# Altium PCB 606-100862-r02.pcbdoc (part 2 of 3) (continued)
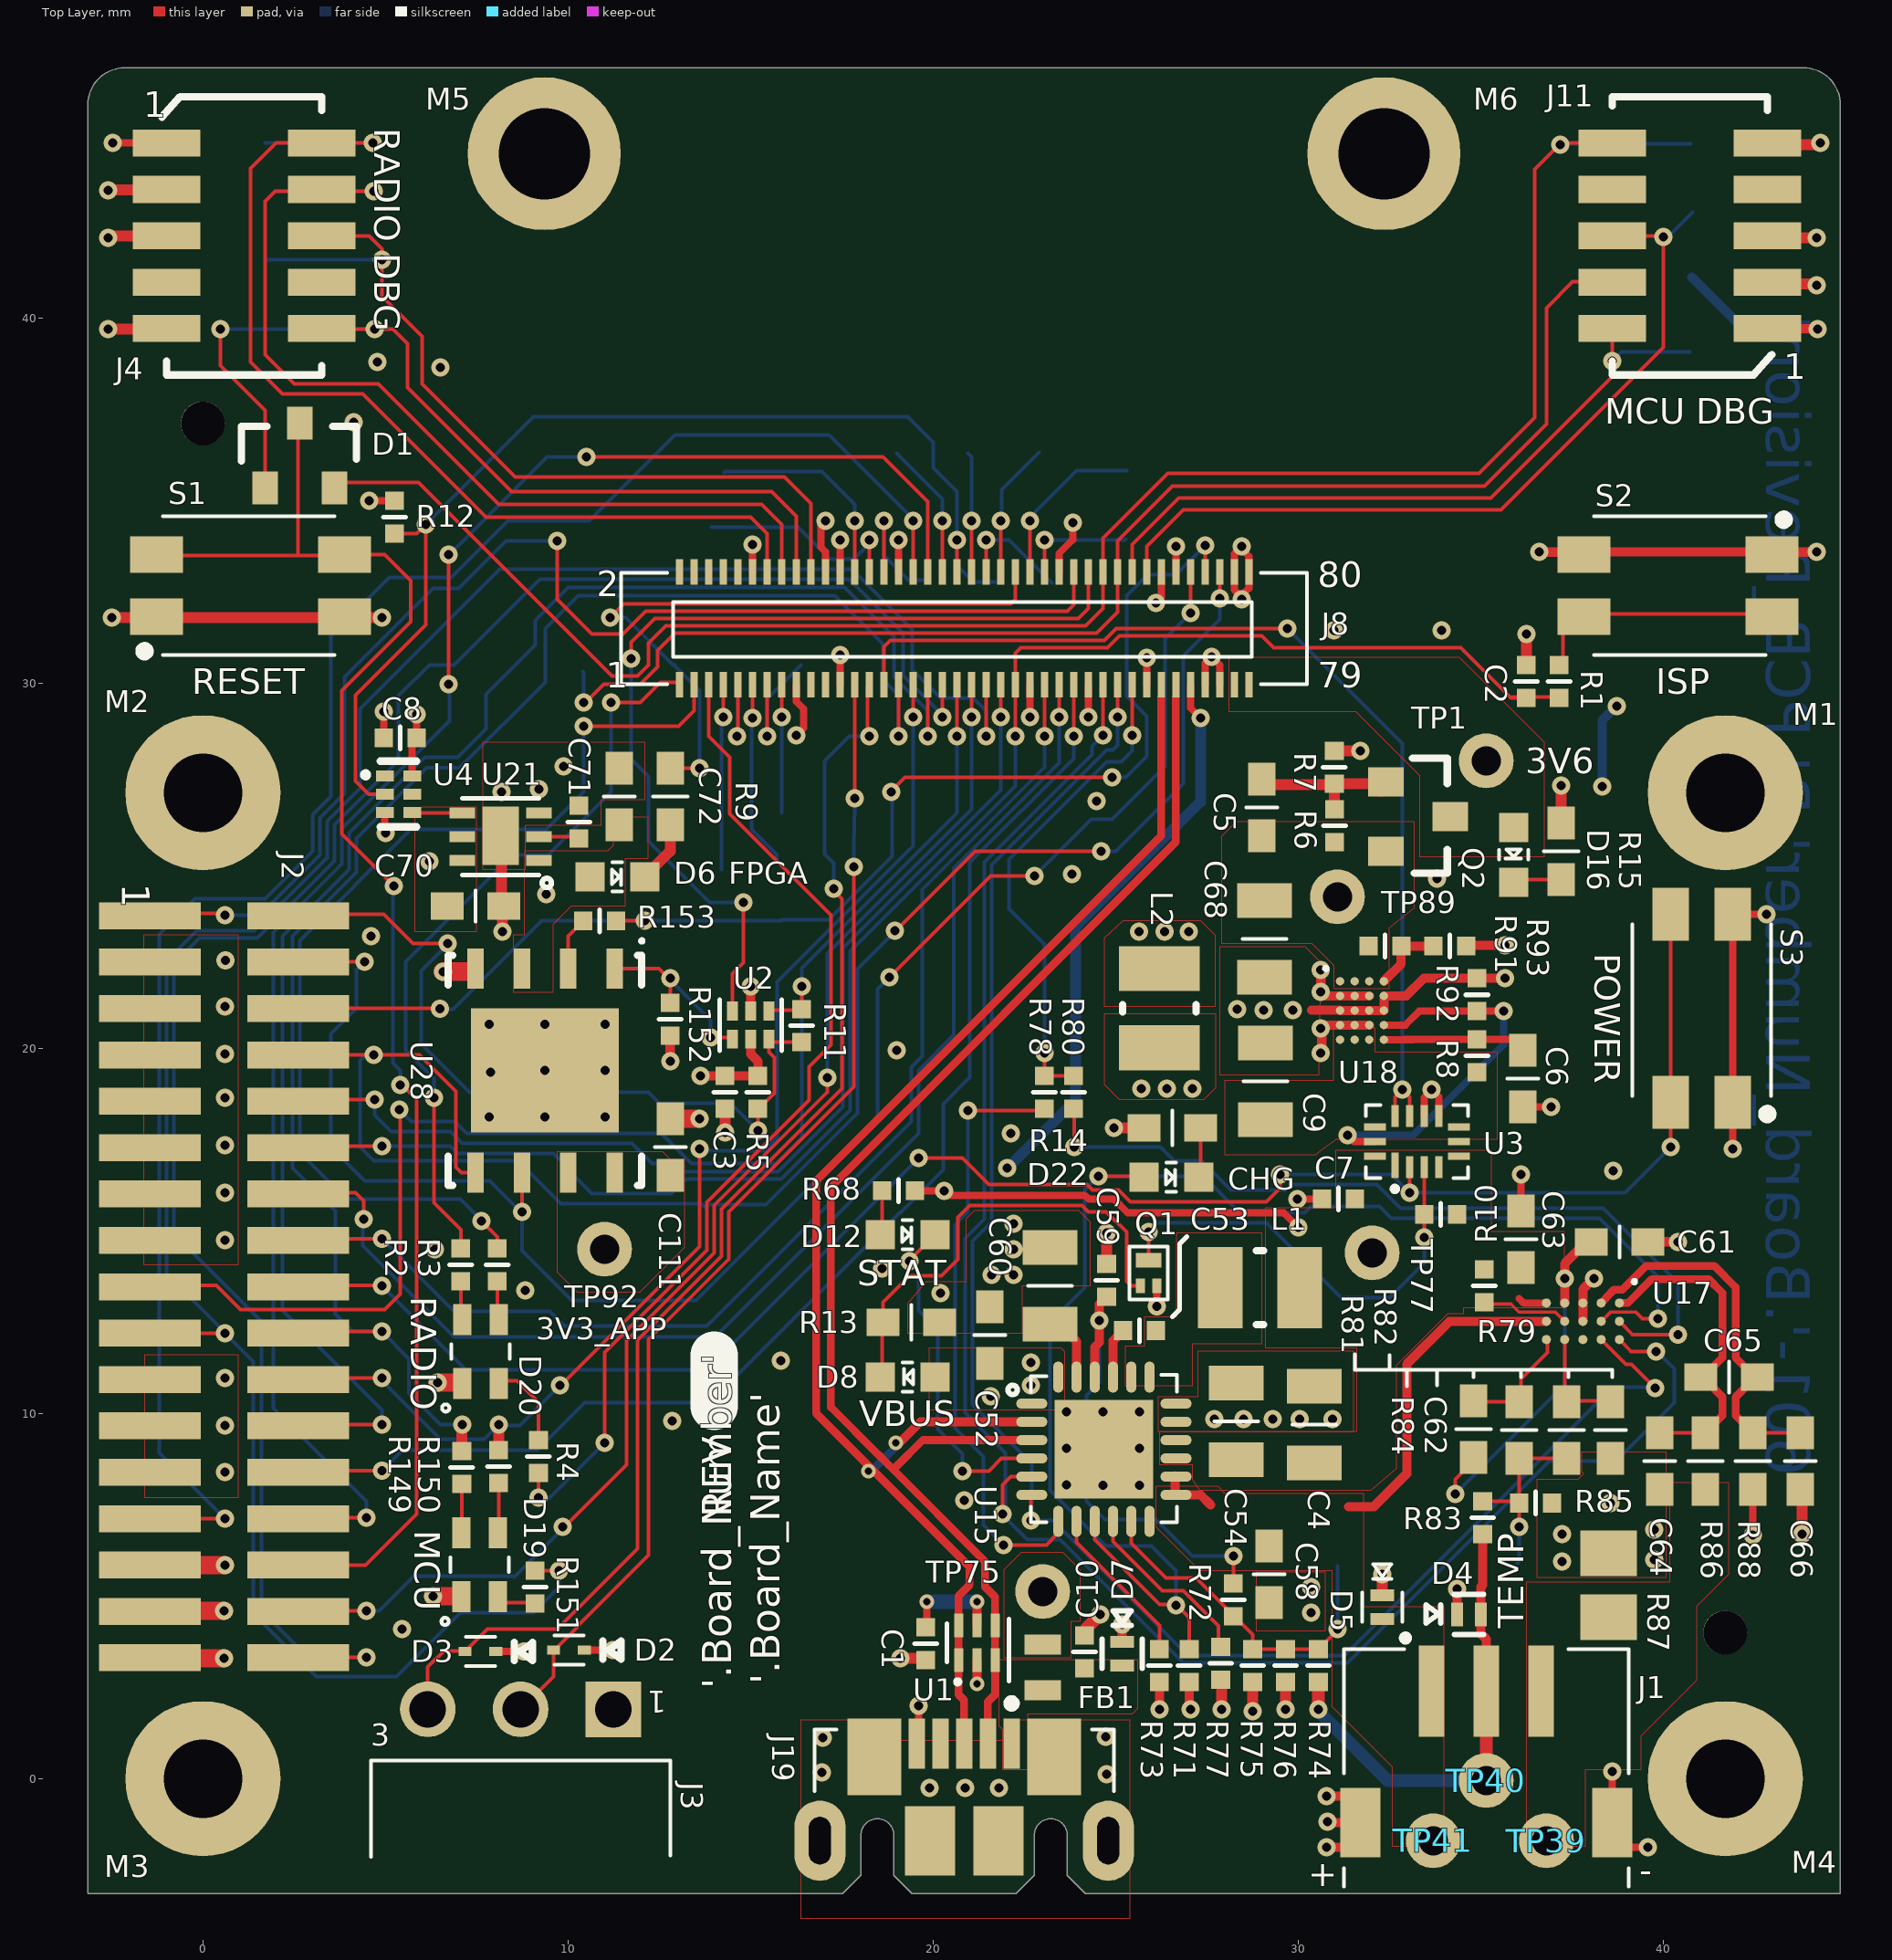
[diagram p0: Top Layer view]
## Nets (pads, with @x,y where several pads share a name; then routed paths per layer and width w, separated by ;. In a path a pad name is that pad's centre, name@x,y a point inside that pad or via, vN(x,y) a via of type N, cw(c..) or ccw(c..) an arc to the next point about the centre after c; other vN are vias at no path point) (continued)
MCU_GPIO_11: J2.2 R5.2 R11.2 U2.6 | length 21.2
  Top Layer w0.1: J2.2@3.025,23.67 4.955,23.67 5.75,22.875 v1(6.7,22.875) ; v1(15.2,17.75) R5.2@15.2,18.25 ; R5.2@15.2,18.35 R5.2@15.2,18.25 ; R11.2@16.4,20.15 16.375,20.175 15.575,20.175 U2.6@15.5,20.25 15.5,19.9 15.65,19.75 15.65,18.775 15.225,18.35 15.3,18.35 R5.2@15.2,18.25
  Bottom Layer w0.1: v1(6.7,22.875) 6.7,22.841 5.975,22.116 5.975,20.125 7.3,18.8 12.2,18.8 12.5,18.5 14.45,18.5 v1(15.2,17.75)
MCU_GPIO_12: J2.17 J8.39 R11.1 TP62.1 U2.1 | length 39.3
  Top Layer w0.1: J2.17@-0.5,13.51 0.365,13.51 1.025,12.85 4.975,12.85 5.4,13.275 5.4,18.175 5.55,18.325 v1(5.375,18.325) ; U2.1@15.5,21.02 15.53,21.05 16.4,21.05 R11.1@16.4,21.075 v1(16.4,21.7) ; v1(20.65,28.55) J8.39@20.65,29.96
  Bottom Layer w0.1: v1(5.375,18.325) 5.7,18 6.9,18 7.225,17.675 12.55,17.675 13.375,16.85 15.7,16.85 16.4,17.55 v1(16.4,21.7) 16.4,22.2 20.65,26.45 v1(20.65,28.55)
MCU_GPIO_13: J2.1 J8.56 TP26.1 | length 34.3
  Top Layer w0.1: J2.1@-0.63,23.7 J2.1@-0.405,23.7 ; J2.1@-0.425,23.68 J2.1@-0.405,23.7 ; v1@0.45,23.7 J2.1@-0.405,23.7 ; v1(9.7,33.9) 9.7,32.3 10.65,31.35 11.5,31.35 12.125,31.975 23.675,31.975 23.85,32.15 J8.56@23.85,33.04
  Bottom Layer w0.1: v1@0.575,23.7 v1@0.625,23.65 ; v1(0.6,23.65) v1@0.625,23.65 ; v1(9.7,33.9) 8.3,33.9 7,32.6 6.3,32.6 3.875,30.175 3.875,26.983 3.2,26.308 3.2,25.3 1.55,23.65 v1@0.625,23.65
MCU_GPIO_14: J2.24 J8.35 TP27.1 | length 43.7
  Top Layer w0.1: J2.24@3.025,9.7 v1(4.9,9.7) ; v1(19.85,28.55) J8.35@19.85,29.96
  Bottom Layer w0.1: v1(4.9,9.7) 4.9,10.1 2.175,12.825 2.175,23.075 4,24.9 4,25.9 6.075,27.975 6.975,27.975 7.75,28.75 7.75,29.7 9.1,31.05 9.1,31.725 10,32.625 17.575,32.625 18.925,31.275 18.925,30.175 19.85,29.25 v1(19.85,28.55)
MCU_NRST: D1.2 J8.60 J11.10 TP58.1 | length 52.3
  Top Layer w0.1: D1.2@3.6,35.5 5.9,35.5 11.2,30.2 11.9,30.2 12.2,30.5 12.2,31.1 12.675,31.575 24.175,31.575 24.65,32.05 J8.60@24.65,33.04 24.65,33.975 26.425,35.75 34.95,35.75 36.475,37.275 36.475,44.075 37.15,44.75 v1(37.175,44.75) 37.215,44.79 J11.10@38.6,44.79
  Bottom Layer w0.1: v1(37.175,44.75) 37.2,44.775 TP58.1@40.725,44.775 TP58.1@40.75,44.775
MCU_SWCLK: J8.62 J11.4 TP56.1 | length 37.1
  Top Layer w0.1: v1(10.425,29.475) 10.475,29.475 10.976,29.976 11.976,29.976 12.45,30.45 12.45,30.9 12.925,31.375 24.475,31.375 25.05,31.95 J8.62@25.05,33.04 25.05,33.9 26.55,35.4 35.1,35.4 36.8,37.1 36.8,40.275 37.515,40.99 J11.4@38.6,40.99
  Bottom Layer w0.1: TP56.1@10.4,30.325 10.425,30.3 v1(10.425,29.475)
MCU_SWDIO: J8.64 J11.2 TP55.1 | length 19.4
  Top Layer w0.1: J8.64@25.45,33.04 25.45,33.8 26.725,35.075 35.275,35.075 38.6,38.4 v1(38.6,38.821) J11.2@38.6,39.71
  Bottom Layer w0.1: v1(38.6,38.821) 38.854,39.075 TP55.1@40.725,39.075
MCU_SWO: J8.66 J11.6 TP57.1 | length 22.6
  Top Layer w0.1: J8.66@25.85,33.04 25.85,33.75 26.85,34.75 35.55,34.75 40,39.2 v1(40,42.225) 39.975,42.25 J11.6@38.6,42.25
  Bottom Layer w0.1: v1(40,42.225) 40.125,42.225 TP57.1@40.8,42.9
NetC1_1: C1.1 U1.5 | length 2.7
  Top Layer w0.2: C1.1@19.8,4.15 19.831,4.181 v4(19.831,4.85)
  Top Layer w0.25: U1.5@21.2,4.2 v4(21.2,4.85)
  Bottom Layer w0.4: v4(19.831,4.85) v4(21.2,4.85)
NetC5_2: C5.2 Q2.1 R6.2 R7.1 | length 4.1
  Top Layer w0.3: C5.2@29,27.225 30.965,27.225 R7.1@30.99,27.25 ; R6.2@30.99,26.55 R7.1@30.99,27.25 ; Q2.1@32.268,27.032 32.05,27.25 R7.1@30.99,27.25
NetC71_1: C71.1 U21.2 | length 1
  Top Layer w0.1: U21.2@9.272,25.79 10.222,25.79 C71.1@10.272,25.74
NetD6_2: D6.2 R9.1 | length 1.7
  Top Layer w0.3: D6.2@12.1,24.7 12.8,25.4 R9.1@12.8,26.125
NetD8_2: D8.2 Q1.G R13.1 | length 12.4
  Top Layer w0.1: D8.2@18.6,11.1 R13.1@18.6,12.4 ; R13.1@18.625,12.5 18.625,13.05 19.35,13.775 20.225,13.775 20.675,14.225 20.675,15.375 21,15.7 24.081,15.7 24.255,15.525 24.742,15.525 25.3,14.967 25.3,13.625 25.425,13.5 Q1.G@25.675,13.5
NetD12_1: D12.1 R68.2 | length 0.9
  Top Layer w0.1: D12.1@18.6,14.85 18.6,15.8
NetD16_2: D16.2 R15.1 | length 1.3
  Top Layer w0.1: D16.2@35.9,24.55 35.975,24.625 R15.1@37.2,24.625
NetD19_2: D19.2 R149.2 | length 1.2
  Top Layer w0.1: D19.2@7.089,6.926 7.089,8 R149.2@7.189,8.1
NetD19_3: D19.3 R150.2 | length 1.2
  Top Layer w0.1: D19.3@8.1,6.915 R150.2@8.1,8.1
NetD19_4: D19.4 R151.2 | length 1.2
  Top Layer w0.1: D19.4@8.083,4.982 8.24,4.825 8.975,4.825 9.1,4.7 R151.2@9.181,4.7
NetD20_2: D20.2 R2.2 | length 1.2
  Top Layer w0.1: R2.2@7.061,13.615 7.061,12.397 D20.2@7.083,12.376
NetD20_3: D20.3 R3.2 | length 1.2
  Top Layer w0.1: R3.2@8.062,13.615 8.062,12.397 D20.3@8.083,12.376
NetD20_4: D20.4 R4.2 | length 2.4
  Top Layer w0.1: D20.4@8.083,10.626 D20.4@8.109,10.6 ; D20.4@8.109,10.9 8.6,10.9 9.189,10.311 R4.2@9.189,9.275
NetD22_2: D22.2 R14.1 | length 1.6
  Top Layer w0.1: D22.2@27.329,16.473 R14.1@27.329,18.048
NetL2_1: L2.1 U18.B1 U18.B2 U18.B3 | length 2
  Top Layer w0.254: v1(30.622,22.14) v1(30.622,21.54) 30.622,21.512 30.697,21.437 U18.B1@31.148,21.437 U18.B2@31.548,21.437 U18.B3@31.948,21.437
  other v1: 25.647,23.19 26.347,23.19 27,23.2
NetL2_2: L2.2 U18.D1 U18.D2 U18.D3 | length 2.1
  Top Layer w0.254: v1(30.622,19.865) 30.647,19.89 v1@30.647,20.64 ; v1@30.672,20.637 U18.D1@31.148,20.637 U18.D2@31.548,20.637 U18.D3@31.948,20.637
  other v1: 25.7,18.9 26.4,18.9 27.1,18.9 30.622,20.54
NetR1_2: R1.2 S2.2 S2.4 | length 7
  Top Layer w0.1: R1.2@37.15,30.5 37.175,30.5 37.25,30.575 37.25,31.675 37.4,31.825 S2.4@37.825,31.825 ; S2.4@37.825,31.889 S2.2@42.943,31.889
NetR77_1: R77.1 U15.10 | length 5
  Top Layer w0.1: U15.10@24.929,7.045 24.929,6.496 26.275,5.15 26.85,5.15 27.815,4.185 27.815,3.611 R77.1@27.88,3.611
NetR82_1: R82.1 R83.1 R84.2 R85.1 TP82.1 | length 5.3
  Top Layer w0.1: R83.1@35.104,7.548 R83.1@35.054,7.598 36.004,7.598 R85.1@36.054,7.548 ; v1(36.054,6.9) R85.1@36.054,7.548 ; R84.2@37.354,8.773 R82.1@36.054,8.773 R85.1@36.054,7.548
  Bottom Layer w0.1: TP82.1@36,5.9 36.054,5.954 v1(36.054,6.9)
NetR153_2: R153.2 U28.2 | length 1.5
  Top Layer w0.1: U28.2@10.007,22.18 10.007,23.075 R153.2@10.422,23.49
NVBUS_DET: Q1.D R10.2 U3.3 | length 12.4
  Top Layer w0.1: Q1.D@25.9,14.1 Q1.D@25.9,14.2 v1(25.9,14.975) ; v1(33.45,14.825) R10.2@33.45,15.45 U3.3@33.45,16.75
  Bottom Layer w0.1: v1(25.9,14.975) 26.15,15.225 29.125,15.225 31.175,13.175 32.5,13.175 33.45,14.125 v1(33.45,14.825)
RADIO_GPIO_1: J8.1 R2.1 TP2.1 | length 20.6
  Top Layer w0.1: v1(6.325,18.65) 6.325,15.775 7.061,15.038 R2.1@7.061,14.515 ; v1(11.175,29.475) 11.975,29.475 12.525,30.025 12.985,30.025 J8.1@13.05,29.96
  Bottom Layer w0.1: v1(6.325,18.65) 6.325,19.175 5.55,19.95 5.55,22.375 8.475,25.3 9.45,25.3 11.175,27.025 v1(11.175,29.475)
RADIO_GPIO_2: J8.3 R3.1 TP43.1 | length 27.7
  Top Layer w0.1: v1(7.625,15.275) 8.062,14.839 R3.1@8.062,14.515 ; v1(10.425,28.825) 13.025,28.825 13.45,29.25 J8.3@13.45,29.96
  Bottom Layer w0.1: v1(7.625,15.275) 7.625,15.3 7.05,15.875 3.925,15.875 2.65,17.15 2.65,22.95 5.694,25.994 9.4,25.994 10.425,27.019 v1(10.425,28.825)
RADIO_GPIO_3: J8.5 R4.1 TP44.1 | length 27.9
  Top Layer w0.1: v1(9.189,7.7) R4.1@9.189,8.375 R4.1@9.214,8.4 ; v1(11,9.2) 11,11.675 13.8,14.475 13.8,15.784 16.6,18.584 16.6,19.5 17.2,20.1 17.2,23.65 14.425,26.425 14.425,27.975 13.85,28.55 13.85,28.834 J8.5@13.85,29.96
  Bottom Layer w0.1: v1(9.189,7.7) 9.5,7.7 TP44.1@10.3,8.5 v1(11,9.2)
RADIO_GPIO_4: J8.7 TP45.1 | length 5.1
  Top Layer w0.1: v1(14.25,29.075) J8.7@14.25,29.96
  Bottom Layer w0.1: TP45.1@14.2,24.9 14.2,29.065 v1@14.21,29.075
RADIO_GPIO_5: J8.9 TP46.1 | length 3.1
  Top Layer w0.1: v1(14.625,28.55) 14.65,28.575 J8.9@14.65,29.96
  Bottom Layer w0.1: TP46.1@14.6,30.15 14.65,30.1 14.65,28.575 v1(14.625,28.55)
RADIO_GPIO_6: J8.11 TP47.1 | length 5.2
  Top Layer w0.1: v1(15.05,29.05) J8.11@15.05,29.96
  Bottom Layer w0.1: v1@15.025,29.05 15.025,26 15.713,25.312 TP47.1@15.713,25.087
RADIO_GPIO_7: J8.13 TP48.1 | length 3.7
  Top Layer w0.1: v1(15.45,28.55) J8.13@15.45,29.96
  Bottom Layer w0.1: v1(15.45,28.55) 15.45,29.575 TP48.1@16.375,30.5
RADIO_GPIO_8: J8.15 TP49.1 | length 3.5
  Top Layer w0.1: v1(15.85,29.075) J8.15@15.85,29.96
  Bottom Layer w0.1: TP49.1@15.85,26.45 TP49.1@15.85,26.675 v1(15.85,29.075)
RADIO_NRST: D1.1 J4.10 J8.18 TP53.1 | length 26.4
  Top Layer w0.1: v1(0.475,39.7) 0.475,38.7 1.7,37.475 1.7,35.6 D1.1@1.6,35.5 ; J4.10@3.25,39.7 v1(4.7,39.7) 5.2,39.7 5.6,39.3 5.6,38.1 8.45,35.25 15.575,35.25 16.25,34.575 J8.18@16.25,33.04
  Bottom Layer w0.1: v1(0.475,39.7) 0.475,39.625 0.55,39.7 TP53.1@1.7,39.7 v1(4.7,39.7)
RADIO_SWCLK: J4.4 J8.16 TP51.1 | length 27.8
  Top Layer w0.1: J4.4@3.25,43.51 J4.4@3.285,43.475 ; v1(4.675,43.475) J4.4@3.285,43.475 ; J8.16@15.85,33.04 15.85,34.35 15.3,34.9 8.1,34.9 4.8,38.2 2.5,38.2 1.7,39 1.7,43.2 1.975,43.475 J4.4@3.285,43.475
  Bottom Layer w0.1: TP51.1@1.7,43.2 1.975,43.475 v1(4.675,43.475)
RADIO_SWDIO: J4.2 J8.14 TP50.1 | length 29.1
  Top Layer w0.1: J4.2@3.25,44.78 J4.2@3.27,44.8 ; v1(4.65,44.8) J4.2@3.27,44.8 ; J8.14@15.45,33.04 15.45,34.1 15,34.55 7.75,34.55 4.375,37.925 2.175,37.925 1.3,38.8 1.3,44.1 2,44.8 J4.2@3.27,44.8
  Bottom Layer w0.1: TP50.1@1.7,44.8 v1(4.65,44.8)
RADIO_SWO: J4.6 J8.20 TP52.1 | length 23
  Top Layer w0.1: J4.6@3.25,42.24 4.56,42.24 4.9,41.9 v1(4.9,41.6) 4.9,40.6 6,39.5 6,38.2 8.55,35.65 15.925,35.65 16.65,34.925 J8.20@16.65,33.04
  Bottom Layer w0.1: TP52.1@1.7,41.6 v1(4.9,41.6)
SCL: J8.59 TP79.1 U15.5 U17.A3 | length 52.1
  Top Layer w0.1: v1(21.9,7.25) 21.9,8.05 22.125,8.275 22.657,8.275 U15.5@22.679,8.298 ; J8.59@24.61,29.832 24.65,29.832 v1@24.65,28.65 ; U17.A3@38.8,12.023 39.123,11.7 v1(39.8,11.7)
  Bottom Layer w0.1: v1(24.65,28.575) 24.35,28.275 24.35,28.05 21.4,25.1 21.4,15.325 20.875,14.8 20.875,10.025 21.975,8.925 21.975,7.325 v1(21.9,7.25) 21.9,7.225 22.575,6.55 23.475,6.55 26.85,3.175 31.35,3.175 36.875,8.7 38.7,8.7 40.3,10.3 40.3,11.225 39.825,11.7 v1(39.8,11.7)
SDA: J8.61 TP80.1 U15.6 U17.B3 | length 50
  Top Layer w0.1: v1(22.679,7.073) U15.6@22.679,7.798 ; v1(25.051,29.076) 25.051,29.946 25,29.997 J8.61@25.06,30.057 ; U17.B3@38.3,12.023 38.975,11.348 39.127,11.348 v1@39.759,10.716
  Bottom Layer w0.1: v1(25.051,29.076) 25.051,28.301 24.925,28.175 24.758,28.175 21.6,25.017 21.6,15.242 21.075,14.717 21.075,10.25 22.7,8.625 22.7,7.093 v1(22.679,7.073) 23.277,7.073 26.975,3.375 31.267,3.375 38.617,10.725 39.75,10.725 v1(39.775,10.7) ; v1(39.775,10.7) 39.812,10.737 39.85,10.7 v1(39.775,10.7)
SRN: C65.2 C66.2 R88.1 U17.B1 | length 10.4
  Top Layer w0.1: R88.1@42.454,9.475 C66.2@43.754,9.475 C66.2@43.8,9.521
  Top Layer w0.213: U17.B1@38.3,13.025 38.435,13.158 38.435,13.174 38.649,13.388 38.88,13.388 39.532,14.04 41.401,14.04 41.982,13.459 41.982,11.525 42.401,11.107 42.468,11.107 C65.2@42.575,11 42.468,10.894 42.43,10.894 41.987,10.45 41.987,9.942 R88.1@42.454,9.475
SRP: C64.1 C65.1 R86.1 U17.A1 | length 9.1
  Top Layer w0.1: C64.1@39.854,9.475 R86.1@41.154,9.475
  Top Layer w0.213: U17.A1@38.8,13.025 39.031,13.023 39.683,13.675 41.25,13.675 41.617,13.308 41.617,11.525 41.199,11.107 41.132,11.107 C65.1@41.025,11 41.132,10.894 41.178,10.894 41.622,10.45 41.622,9.942 R86.1@41.154,9.475
USB_D_N: J8.69 J19.2 U1.3 U1.4 U15.3 | length 38.6
  Top Layer w0.213: 18.962,8.513 19.72,9.27 U15.3@22.704,9.27 ; J19.2@21.5,0.96 21.5,2.1 21.7,2.3 U1.3@21.7,3.25 U1.4@21.7,4.2 21.7,4.975 21.425,5.25 21.425,5.944 18.777,8.592 18.777,8.598 18.498,8.877 18.492,8.877 17.202,10.167 17.202,16.202 26.65,25.65 26.65,29.6
USB_D_P: J8.67 J19.3 U1.1 U1.6 U15.2 | length 39.6
  Top Layer w0.213: J19.3@20.85,0.96 20.85,2.15 20.7,2.3 U1.1@20.7,3.25 U1.6@20.7,4.2 20.7,5 21,5.3 21,5.8 16.8,10 16.8,16.369 26.248,25.817 26.248,29.6
  Top Layer w0.25: v4@19.016,9.134 19.652,9.77 U15.2@22.704,9.77
  Bottom Layer w0.213: v4(18.225,8.425) 18.325,8.425 18.975,9.075 v4(18.975,9.2)
USB_VBUS: C52.1 D8.1 FB1.1 J8.71 TP75.1 U15.1 U15.24 | length 15.6
  Top Layer w0.2: v1@21.575,10.45 v1(21.575,10.475) ; J8.71@27.05,29.96 27.05,29.325 v1(27.325,29.05)
  Bottom Layer w0.3: v1@22.05,16.725 23.9,18.575 23.9,23.325 27.325,26.75 v1(27.325,29.05)
  other v1: 22.675,10.775 22.675,11.4 22.025,16.725
V_SYS: C4.1 C7.2 C54.1 C63.1 L1.2 R10.1 R68.1 R79.1 TP77.1 U3.5 U3.14 U15.15 U15.16 U17.E1 | length 11.7
  Top Layer w0.2: R68.1@19.5,16.1 v1(20.3,16.1) 20.425,15.975 24.159,15.975 24.264,15.87 24.955,15.87 25.325,15.5 29.6,15.5 v1(30,15.1) ; 36.05,13.15 36.177,13.023 U17.E1@36.8,13.025
V_SYS_OUT: C9.1 R8.1 U3.7 U18.E1 U18.E2 U18.E3
VBUS_IN: C10.2 D7.C FB1.2 J19.1
VCC_3V3_APP: C3.2 C72.1 C111.2 D6.1 D19.1 D20.1 J2.31 J2.33 R5.1 R152.1 TP92.1 U2.5 U21.1 U28.3 U28.7 U28.8 | length 6.9
  Top Layer w0.25: v1(13.625,19.25) C3.2@14.3,19.25 R5.1@15.2,19.25 15.2,19.65 15,19.85 U2.5@15,20.25 U2.5@15,20.3
  Top Layer w0.254: v1(12.8,19.65) R152.1@12.8,20.35 R152.1@12.8,20.4
  Top Layer w0.5: J2.33@-0.425,3.36 -0.365,3.3 v1(0.575,3.3) ; J2.31@-0.425,4.63 -0.395,4.6 v1(0.575,4.6) ; v1(6.3,5) 7.014,5 D19.1@7.04,5.025 ; v1(6.425,10.85) 7.006,10.85 D20.1@7.083,10.926
  other v1: 9.4,24.225
VCC_3V3_CORE: J4.1 J8.22 J8.68 J11.1 R12.1 TP54.1 TP59.1 | length 12.4
  Top Layer w0.2: v1(-2.475,44.8) -2.465,44.79 J4.1@-1,44.79 ; v1(4.55,35) R12.1@5.25,35 ; J8.22@17.05,33.04 17.05,33.6 16.925,33.725 16.925,34.325 v1(17.05,34.45) ; v1(26.1,32.2) 26.25,32.35 J8.68@26.25,33.04
  Top Layer w0.25: J11.1@42.85,39.71 v1@44.215,39.71
  Bottom Layer w0.25: v1(38.325,27.175) TP54.1@38.325,28.275 38.325,28.975 v1(38.725,29.375) ; TP59.1@40.775,41.125 42.2,39.7 v1(44.225,39.7)
VCC_3V6: C8.2 C70.1 D16.1 J8.77 J8.79 Q2.3 TP1.1 U4.6 U21.6 | length 1.8
  Top Layer w0.2: U4.6@5.733,27.464 5.733,28.383 C8.2@5.85,28.5 v1(5.85,29.15) v1@5.9,29.2
  other v1: 6.2,25.125
pads on no net: J4.7 J4.8 J8.2 J8.4 J8.6 J8.8 J8.10 J8.19 J8.21 J11.7 J11.8 J19.4 U3.1 U3.4 U3.6 U3.12 U4.1 U4.5 U15.12 U17.C3 U21.5

## Polygon pours and split planes (outlines as drawn)
no net on FAB_DWG (solid): 82 vertices, not listed, extent 333.529,-125.015 339.874,-121.787
no net on FAB_DWG (solid): 83 vertices, not listed, extent 321.917,-126.37 326.822,-121.782
no net on FAB_DWG (solid): 74 vertices, not listed, extent 308.135,-127.605 315.527,-120.87
no net on FAB_DWG (solid): 89 vertices, not listed, extent 296.465,-124.634 302.884,-120.87
no net on FAB_DWG (solid): 1029 vertices, not listed, extent 256.245,-134.442 397.291,-120.868
no net on FAB_DWG (solid): -343.47,-76.729 -344.47,-72.729 -343.47,-73.229 -342.47,-72.729 -343.47,-76.729
no net on FAB_DWG (solid): -343.47,-25.729 -342.47,-29.729 -343.47,-29.229 -344.47,-29.729 -343.47,-25.729
no net on FAB_DWG (solid): -285.97,-76.229 ccw(c-286.47,-76.229) -286.47,-75.729 ccw(c-286.47,-76.229) -286.97,-76.229 ccw(c-286.47,-76.229) -286.47,-76.729 ccw(c-286.47,-76.229) -285.97,-76.229
no net on FAB_DWG (solid): -256.47,-68.229 -256.97,-69.729 -287.97,-69.729 -288.47,-68.229 -256.47,-68.229
no net on FAB_DWG (solid): -256.37,-54.729 -256.87,-56.229 -288.07,-56.229 -288.57,-54.729 -256.37,-54.729
no net on FAB_DWG (solid): -288.57,-47.729 -288.07,-46.229 -256.87,-46.229 -256.37,-47.729 -288.57,-47.729
no net on FAB_DWG (solid): -288.47,-34.229 -287.97,-32.729 -256.97,-32.729 -256.47,-34.229 -288.47,-34.229
no net on FAB_DWG (solid): -285.97,-26.229 ccw(c-286.47,-26.229) -286.47,-25.729 ccw(c-286.47,-26.229) -286.97,-26.229 ccw(c-286.47,-26.229) -286.47,-26.729 ccw(c-286.47,-26.229) -285.97,-26.229
no net on FAB_DWG (solid): -277.97,-76.229 ccw(c-278.47,-76.229) -278.47,-75.729 ccw(c-278.47,-76.229) -278.97,-76.229 ccw(c-278.47,-76.229) -278.47,-76.729 ccw(c-278.47,-76.229) -277.97,-76.229
no net on FAB_DWG (solid): -281.97,-76.229 ccw(c-282.47,-76.229) -282.47,-75.729 ccw(c-282.47,-76.229) -282.97,-76.229 ccw(c-282.47,-76.229) -282.47,-76.729 ccw(c-282.47,-76.229) -281.97,-76.229
no net on FAB_DWG (solid): -283.97,-76.229 ccw(c-284.47,-76.229) -284.47,-75.729 ccw(c-284.47,-76.229) -284.97,-76.229 ccw(c-284.47,-76.229) -284.47,-76.729 ccw(c-284.47,-76.229) -283.97,-76.229
no net on FAB_DWG (solid): -279.97,-76.229 ccw(c-280.47,-76.229) -280.47,-75.729 ccw(c-280.47,-76.229) -280.97,-76.229 ccw(c-280.47,-76.229) -280.47,-76.729 ccw(c-280.47,-76.229) -279.97,-76.229
no net on FAB_DWG (solid): -277.97,-26.229 ccw(c-278.47,-26.229) -278.47,-25.729 ccw(c-278.47,-26.229) -278.97,-26.229 ccw(c-278.47,-26.229) -278.47,-26.729 ccw(c-278.47,-26.229) -277.97,-26.229
no net on FAB_DWG (solid): -281.97,-26.229 ccw(c-282.47,-26.229) -282.47,-25.729 ccw(c-282.47,-26.229) -282.97,-26.229 ccw(c-282.47,-26.229) -282.47,-26.729 ccw(c-282.47,-26.229) -281.97,-26.229
no net on FAB_DWG (solid): -283.97,-26.229 ccw(c-284.47,-26.229) -284.47,-25.729 ccw(c-284.47,-26.229) -284.97,-26.229 ccw(c-284.47,-26.229) -284.47,-26.729 ccw(c-284.47,-26.229) -283.97,-26.229
no net on FAB_DWG (solid): -279.97,-26.229 ccw(c-280.47,-26.229) -280.47,-25.729 ccw(c-280.47,-26.229) -280.97,-26.229 ccw(c-280.47,-26.229) -280.47,-26.729 ccw(c-280.47,-26.229) -279.97,-26.229
no net on FAB_DWG (solid): -269.97,-76.229 ccw(c-270.47,-76.229) -270.47,-75.729 ccw(c-270.47,-76.229) -270.97,-76.229 ccw(c-270.47,-76.229) -270.47,-76.729 ccw(c-270.47,-76.229) -269.97,-76.229
no net on FAB_DWG (solid): -273.97,-76.229 ccw(c-274.47,-76.229) -274.47,-75.729 ccw(c-274.47,-76.229) -274.97,-76.229 ccw(c-274.47,-76.229) -274.47,-76.729 ccw(c-274.47,-76.229) -273.97,-76.229
no net on FAB_DWG (solid): -275.97,-76.229 ccw(c-276.47,-76.229) -276.47,-75.729 ccw(c-276.47,-76.229) -276.97,-76.229 ccw(c-276.47,-76.229) -276.47,-76.729 ccw(c-276.47,-76.229) -275.97,-76.229
no net on FAB_DWG (solid): -271.97,-76.229 ccw(c-272.47,-76.229) -272.47,-75.729 ccw(c-272.47,-76.229) -272.97,-76.229 ccw(c-272.47,-76.229) -272.47,-76.729 ccw(c-272.47,-76.229) -271.97,-76.229
no net on FAB_DWG (solid): -269.97,-26.229 ccw(c-270.47,-26.229) -270.47,-25.729 ccw(c-270.47,-26.229) -270.97,-26.229 ccw(c-270.47,-26.229) -270.47,-26.729 ccw(c-270.47,-26.229) -269.97,-26.229
no net on FAB_DWG (solid): -273.97,-26.229 ccw(c-274.47,-26.229) -274.47,-25.729 ccw(c-274.47,-26.229) -274.97,-26.229 ccw(c-274.47,-26.229) -274.47,-26.729 ccw(c-274.47,-26.229) -273.97,-26.229
no net on FAB_DWG (solid): -275.97,-26.229 ccw(c-276.47,-26.229) -276.47,-25.729 ccw(c-276.47,-26.229) -276.97,-26.229 ccw(c-276.47,-26.229) -276.47,-26.729 ccw(c-276.47,-26.229) -275.97,-26.229
no net on FAB_DWG (solid): -271.97,-26.229 ccw(c-272.47,-26.229) -272.47,-25.729 ccw(c-272.47,-26.229) -272.97,-26.229 ccw(c-272.47,-26.229) -272.47,-26.729 ccw(c-272.47,-26.229) -271.97,-26.229
no net on FAB_DWG (solid): -261.97,-76.229 ccw(c-262.47,-76.229) -262.47,-75.729 ccw(c-262.47,-76.229) -262.97,-76.229 ccw(c-262.47,-76.229) -262.47,-76.729 ccw(c-262.47,-76.229) -261.97,-76.229
no net on FAB_DWG (solid): -267.97,-76.229 ccw(c-268.47,-76.229) -268.47,-75.729 ccw(c-268.47,-76.229) -268.97,-76.229 ccw(c-268.47,-76.229) -268.47,-76.729 ccw(c-268.47,-76.229) -267.97,-76.229
no net on FAB_DWG (solid): -265.97,-76.229 ccw(c-266.47,-76.229) -266.47,-75.729 ccw(c-266.47,-76.229) -266.97,-76.229 ccw(c-266.47,-76.229) -266.47,-76.729 ccw(c-266.47,-76.229) -265.97,-76.229
no net on FAB_DWG (solid): -263.97,-76.229 ccw(c-264.47,-76.229) -264.47,-75.729 ccw(c-264.47,-76.229) -264.97,-76.229 ccw(c-264.47,-76.229) -264.47,-76.729 ccw(c-264.47,-76.229) -263.97,-76.229
no net on FAB_DWG (solid): -261.97,-26.229 ccw(c-262.47,-26.229) -262.47,-25.729 ccw(c-262.47,-26.229) -262.97,-26.229 ccw(c-262.47,-26.229) -262.47,-26.729 ccw(c-262.47,-26.229) -261.97,-26.229
no net on FAB_DWG (solid): -267.97,-26.229 ccw(c-268.47,-26.229) -268.47,-25.729 ccw(c-268.47,-26.229) -268.97,-26.229 ccw(c-268.47,-26.229) -268.47,-26.729 ccw(c-268.47,-26.229) -267.97,-26.229
no net on FAB_DWG (solid): -265.97,-26.229 ccw(c-266.47,-26.229) -266.47,-25.729 ccw(c-266.47,-26.229) -266.97,-26.229 ccw(c-266.47,-26.229) -266.47,-26.729 ccw(c-266.47,-26.229) -265.97,-26.229
no net on FAB_DWG (solid): -263.97,-26.229 ccw(c-264.47,-26.229) -264.47,-25.729 ccw(c-264.47,-26.229) -264.97,-26.229 ccw(c-264.47,-26.229) -264.47,-26.729 ccw(c-264.47,-26.229) -263.97,-26.229
no net on FAB_DWG (solid): -259.97,-76.229 ccw(c-260.47,-76.229) -260.47,-75.729 ccw(c-260.47,-76.229) -260.97,-76.229 ccw(c-260.47,-76.229) -260.47,-76.729 ccw(c-260.47,-76.229) -259.97,-76.229
no net on FAB_DWG (solid): -257.97,-76.229 ccw(c-258.47,-76.229) -258.47,-75.729 ccw(c-258.47,-76.229) -258.97,-76.229 ccw(c-258.47,-76.229) -258.47,-76.729 ccw(c-258.47,-76.229) -257.97,-76.229
no net on FAB_DWG (solid): -259.97,-26.229 ccw(c-260.47,-26.229) -260.47,-25.729 ccw(c-260.47,-26.229) -260.97,-26.229 ccw(c-260.47,-26.229) -260.47,-26.729 ccw(c-260.47,-26.229) -259.97,-26.229
no net on FAB_DWG (solid): -257.97,-26.229 ccw(c-258.47,-26.229) -258.47,-25.729 ccw(c-258.47,-26.229) -258.97,-26.229 ccw(c-258.47,-26.229) -258.47,-26.729 ccw(c-258.47,-26.229) -257.97,-26.229
no net on ASY_DWG (solid): 82 vertices, not listed, extent 333.529,-125.015 339.874,-121.787
no net on ASY_DWG (solid): 83 vertices, not listed, extent 321.917,-126.37 326.822,-121.782
no net on ASY_DWG (solid): 74 vertices, not listed, extent 308.135,-127.605 315.527,-120.87
no net on ASY_DWG (solid): 89 vertices, not listed, extent 296.465,-124.634 302.884,-120.87
no net on ASY_DWG (solid): 1029 vertices, not listed, extent 256.245,-134.442 397.291,-120.868
no net on ASY_DWG_R (solid): 82 vertices, not listed, extent -316.292,-125.015 -309.947,-121.787
no net on ASY_DWG_R (solid): 83 vertices, not listed, extent -303.239,-126.37 -298.334,-121.782
no net on ASY_DWG_R (solid): 74 vertices, not listed, extent -291.945,-127.605 -284.552,-120.87
no net on ASY_DWG_R (solid): 89 vertices, not listed, extent -279.302,-124.634 -272.882,-120.87
no net on ASY_DWG_R (solid): 1029 vertices, not listed, extent -373.709,-134.442 -232.663,-120.868
no net on TITLEBLOCK (solid): 26 vertices, not listed, extent -19.659,-102.342 -16.959,-101.042
no net on TITLEBLOCK (solid): -24.499,-102.942 -23.509,-101.142 -22.609,-102.942 -24.499,-102.942
no net on TITLEBLOCK (solid): -34.984,-101.042 -33.861,-102.251 -32.782,-101.042 -34.984,-101.042
no net on TITLEBLOCK (solid): -29.797,-101.042 -27.259,-103.36 -27.259,-101.042 -29.797,-101.042
no net on TITLEBLOCK (solid): 331 vertices, not listed, extent -51.734,-107.442 6.971,-100.822
USB_VBUS on Top Layer "USB_VBUS_L01_P250" (solid, pour order 250): 23.775,3.3 21.95,3.3 21.95,5.725 22.425,6.2 23.548,6.2 24.025,5.731 24.025,4.3 23.775,4.3
VCC_3V6 on Top Layer "VCC_3V6_L01_P232" (solid, pour order 232): 28.1,30.7 28.1,29.225 31.575,29.225 33.325,27.475 33.325,25.25 36.75,25.25 36.75,28.375 34.425,30.7
BATT+ on Top Layer "BATT+_L01_P230" (solid, pour order 230): 26.1,8 26.1,6.9 27.3,5.7 30.925,5.7 30.925,1.975 31.9,1 32.575,0.325 32.575,-1.85 34,-1.85 34,4.7 31.8,4.7 31.8,6.3 31.8,7.8 28.004,7.8 27.805,8
VBUS_IN on Top Layer "VBUS" (solid, pour order 218): 21.8,3.25 21.8,1.45 21.9,1.35 21.9,0.25 22.6,0.25 22.6,1.775 25.455,1.775 25.605,1.925 25.605,3.25 24.8,3.25
USB_VBUS on Top Layer "V_BUS" (solid, pour order 208): 23.6,10.093 19.9,10.093 19.9,11.8 23.5,11.8 23.6,11.7
GND on Top Layer "GND" (solid, remove dead copper, pour order 114): 28.854,5.547 28.854,4.047 30.754,4.047 30.754,5.647 28.854,5.647
CHG_SW on Top Layer "c53" (solid, remove dead copper, pour order 206): 25.275,10.747 25.275,11.847 25.8,11.847 25.8,12.648 26.675,12.648 26.675,14.95 29,14.95 29,11.9 27.1,11.9 27.1,10.748
GND on Top Layer "gnd" (solid, remove dead copper, pour order 205): 26.159,9.9 26.159,9.5 31.525,9.5 31.525,11.7 27.254,11.7 27.254,10.45 26.159,10.45
NetL2_1 on Top Layer "gnd" (solid, remove dead copper, pour order 204): 24.7,21.14 24.7,23.025 25.216,23.5 27.325,23.5 27.725,23.1 27.725,21.14
NetL2_2 on Top Layer "gnd" (solid, remove dead copper, pour order 203): 24.689,20.94 24.689,19.011 25.1,18.6 27.425,18.6 27.75,18.925 27.75,20.94
GND on Top Layer "gnd" (solid, remove dead copper, pour order 202): 30.2,22.775 27.85,22.775 27.85,19.275 30.572,19.275 30.625,22.35
V_SYS_OUT on Top Layer "Bottom-No Net" (solid, pour order 195): 30.975,19.125 30.975,20.57 32.1,20.57 32.1,19.9 35.45,19.9 35.45,17.5 31.033,17.5 30.467,17.075 28,17.075 28,19.125
GND on Top Layer "SENSORVCC3" (solid, remove dead copper, pour order 194): 7.672,24.89 7.672,28.39 12.1,28.39 12.1,26.8 10.9,26.8 10.9,26.1 8.822,26.1 8.822,24.89
GND on Top Layer "SENSORVCC3" (solid, remove dead copper, pour order 160): 24.003,15.548 21.124,15.547 20.9,15.324 20.9,13.6 19.8,13.6 19.3,13.007 19.3,12.2 22.454,12.2 22.454,13.498 24.312,13.498 24.312,15.238
BATT- on Top Layer "Bottom-No Net" (solid, pour order 155): 36.25,5.375 36.25,-1.85 37.875,-1.85 37.875,0.25 39.4,0.25 39.4,1.175 40.925,2.7 40.925,4.725 41.8,5.6 41.8,8.1 40.175,8.1 40.175,5.375
VCC_3V3_APP on Top Layer "SENSORVCC3" (solid, remove dead copper, pour order 175): 12.3,17.165 9.7,17.165 9.7,13.875 10.25,13.325 11.978,13.325 13.2,14.547 13.2,16.965 12.8,16.965 12.6,17.165
3V6_OUT on Top Layer "SENSORVCC3" (solid, remove dead copper, pour order 189): 33.183,25.658 33.183,26.2 28.304,26.2 27.901,25.797 27.901,22.875 30.375,22.875 30.973,22.277 30.973,21.637 32.5,21.637 32.5,23.298 33.183,23.848
V_SYS on Top Layer "SENSORVCC3" (solid, remove dead copper, pour order 193): 23 vertices, not listed, extent 26.2,7.9 37.3,17.2
GND on Top Layer "GND" (solid, remove dead copper, pour order 210): 25.4,1.6 21.925,1.6 21.925,1.038 18.775,1.038 18.775,1.6 16.375,1.6 16.375,-3.825 25.4,-3.825
VCC_3V6 on Top Layer "VCC_3V6_L01_P222" (solid, pour order 222): 7.5,23.2 7.5,26.6 6,26.6 5.8,26.4 5.8,23.2
VCC_3V3_APP on Top Layer "VCC_3V3_APP_L01_P224" (solid, pour order 224): 8.504,21.545 9.604,21.545 9.604,23.404 10.1,23.9 11.575,23.9 11.575,25.2 12.2,25.2 12.2,26.325 11.235,26.325 11.235,25.546 11.085,25.396 8.808,25.396 8.804,24.4 8.804,23.1 8.504,23.1
GND on Top Layer "GND_L01_P246" (solid, pour order 246): -1.625,14.075 0.975,14.075 0.975,23.1 -1.625,23.1
GND on Top Layer "GND_L01_P248" (solid, pour order 248): -1.6,7.7 0.975,7.7 0.975,11.6 -1.6,11.6
GND on Top Layer "GND_L01_P252" (solid, pour order 252): 40.075,5.5 36.55,5.5 36.55,8.2 37.675,8.2 37.825,8.35 37.775,8.4 37.775,8.95 40.075,8.95